# Altium PCB PCB2.PcbDoc
Units mm, origin at the board's own origin, x right, y up, seen from the top; angles counter-clockwise.
Board outline 50 x 25 mm, 2 copper layers (Top Layer, Bottom Layer); 60 components, 65 nets, 282 pads, 92 vias.
Unrouted connection lines stored in the file: 44.
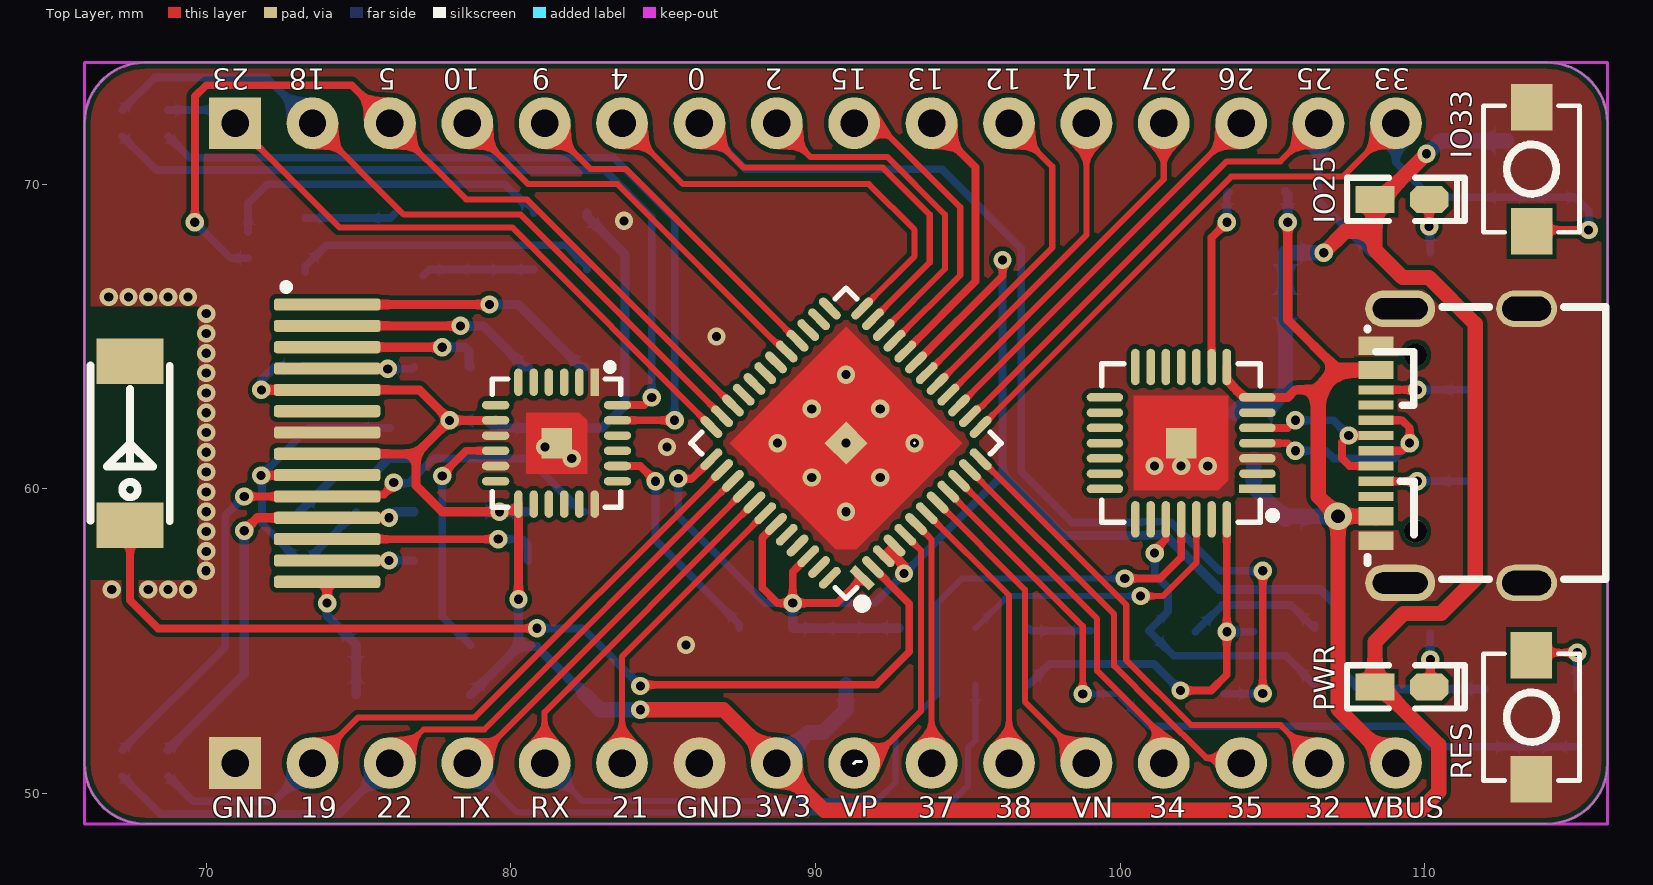
[diagram p0: Top Layer view]
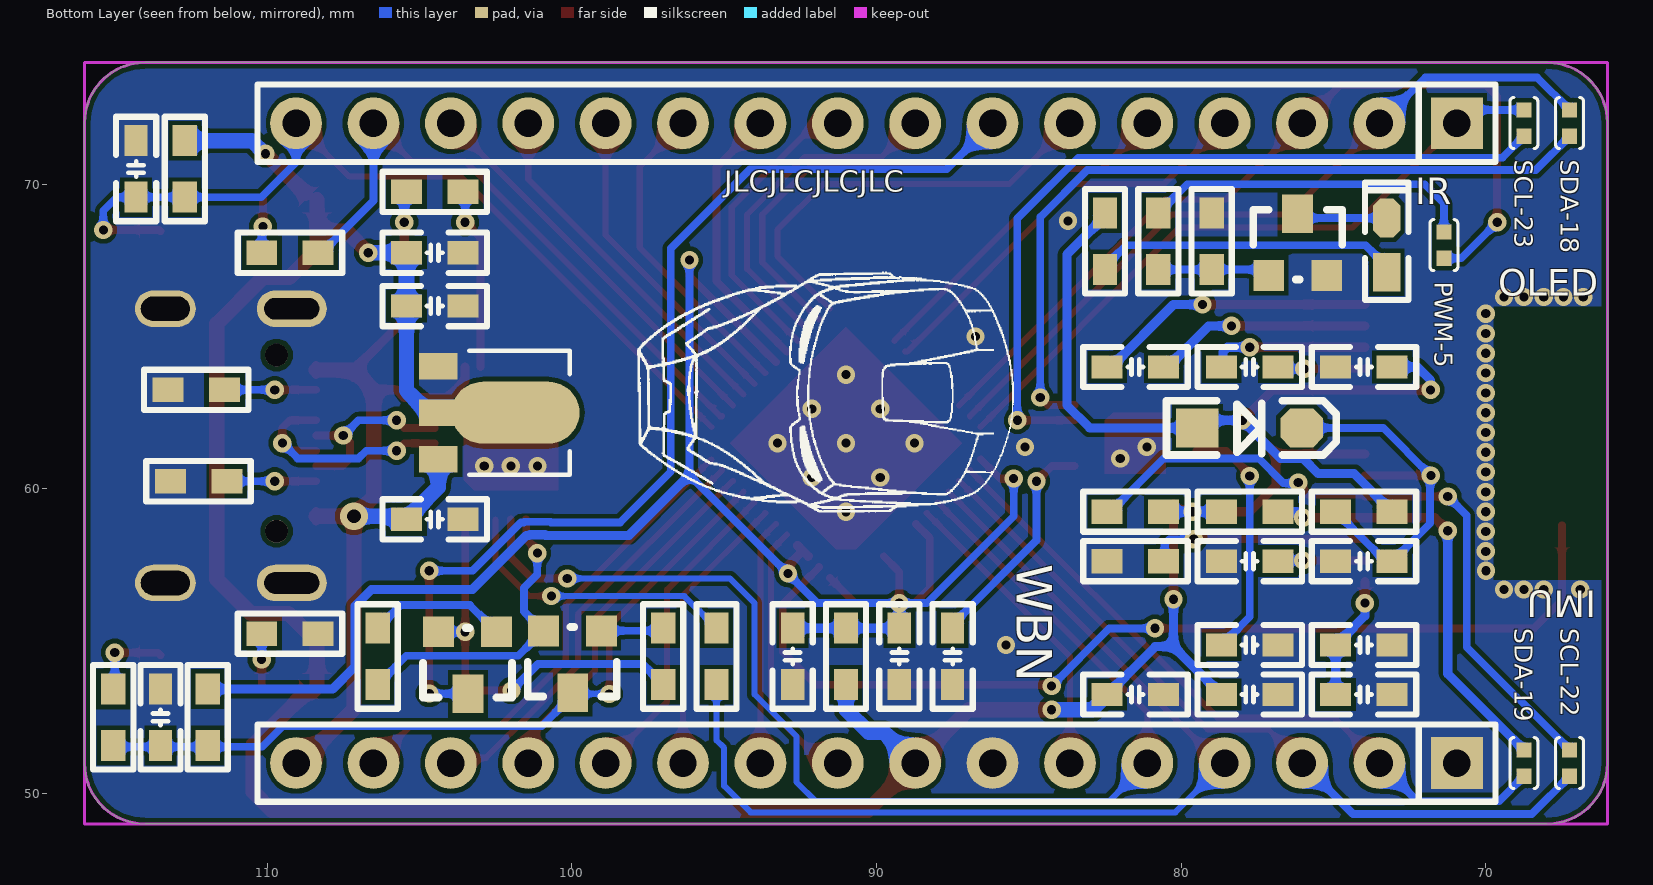
[diagram p1: Bottom Layer view, seen from below]

## Layer stack, top to bottom
Top Solder: solder mask 0.0102, Solder Resist, Dk 3.5
Top Layer: signal copper 0.0356
Dielectric 1: dielectric 0.32, FR-4, Dk 4.8
Bottom Layer: signal copper 0.0356
Bottom Solder: solder mask 0.0102, Solder Resist, Dk 3.5

## Board outline
66,51 66,72 cw(c68,72) 68,74 114,74 cw(c114,72) 116,72 116,51 cw(c114,51) 114,49 68,49 cw(c68,51)

## Design rules (kind name [scope] priority, off if disabled: settings)
Clearance [All] p1: gap=0.152 ignorepadtopadclearanceinfootprint=FALSE
PlaneConnect [All] p1: planeconnectstyle=Direct reliefexpansion=0.508 reliefentries=4 reliefconductorwidth=0.254 reliefairgap=0.254
PolygonConnect [All] p1: connectstyle=Direct reliefconductorwidth=0.254 reliefentries=4 polygonreliefangle="90 Angle" airgapwidth=0.254
RoutingVias [All] p1: holewidth=0.3 width=0.6 viastyle="Through Hole" minholewidth=0.3 minwidth=0.6 maxholewidth=0.3 maxwidth=0.6
SolderMaskExpansion [All] p1: expansion=0.102 istentingtop=FALSE
Width [All] p1: maxlimit=3 minlimit=0.152 preferedwidth=0.254
29 further rules are at their usual default settings.

## Classes and differential pairs
component class Sheet1: J1 Q1 R1 R2 R3 U1

## Components (designator, comment, footprint, x,y, rotation, side; value= is the part's Value field where it differs from the comment)
C1 "" C_0603 77.75,64 r180 bottom
C2 "" C_0603 81.5,64 r180 bottom
C3 "" C_0603 89.25,54.5 r90 bottom
C4 "" C_0603 92.75,54.5 r90 bottom
C5 "" C_0603 77.75,53.25 r0 bottom
C6 "" C_0603 74,64 r180 bottom
C7 "" C_0603 87.5,54.5 r90 bottom
C8 "" C_0603 81.5,53.25 r0 bottom
C9 "" C_0603 77.75,54.875 r0 bottom
C10 "" C_0603 74,53.25 r180 bottom
C11 "" C_0603 74,54.875 r180 bottom
C12 "" C_0603 74,57.625 r0 bottom
C13 "" C_0603 77.75,57.625 r0 bottom
C14 "" C_0603 113.5,52.5 r270 bottom
C15 "" C_0603 104.5,59 r0 bottom
C16 "" C_0603 104.5,66 r0 bottom
C17 "" C_0603 104.5,67.75 r0 bottom
C18 "" C_0603 114.3,70.5 r270 bottom
D1 "" SOD-123 77.75,62 r180 bottom
D2 "" LED_0603 109.25,53.5 r0 top
D3 "" LED_0603 109.25,69.5 r0 top
J1 "" 0402-0R 71.375,68 r270 bottom
J2 "" 0402-0R 67.25,72.007 r90 bottom
J3 "" 0402-0R 68.75,72.007 r90 bottom
J4 "" 0402-0R 68.75,51 r270 bottom
J5 "" 0402-0R 67.25,51 r270 bottom
L1 "" ANT2051 67.5,61.5 r90 top
P1 "" HDR2.54-LI-16P 90,51 r0 bottom
P1 "" OLED-128*32 73.91,61.55 r0 top
P2 "" HDR2.54-LI-16P 90,72 r0 bottom
Q1 "" SOT23 77.249,66.984 r180 bottom
Q2 "" SOT23 98.905,55.358 r0 bottom
Q3 "" SOT23 102.345,55.326 r0 bottom
R1 "" R_0603 82.5,68.125 r270 bottom
R2 "" R_0603 80.75,68.125 r90 bottom
R3 "" R_0603 79,68.125 r90 bottom
R4 "" R_0603 91,54.5 r270 bottom
R5 "" R_0603 81.5,59.25 r180 bottom
R6 "" R_0603 77.75,59.25 r0 bottom
R7 "" R_0603 81.5,57.625 r0 bottom
R8 "" R_0603 111.95,52.5 r90 bottom
R9 "" R_0603 74,59.25 r180 bottom
R10 "" R_0603 104.5,69.75 r180 bottom
R11 "" R_0603 95.25,54.5 r270 bottom
R12 "" R_0603 112.25,60.25 r180 bottom
R13 "" R_0603 112.323,63.25 r180 bottom
R14 "" R_0603 109.25,55.25 r180 bottom
R15 "" R_0603 109.25,67.75 r180 bottom
R16 "" R_0603 97,54.5 r270 bottom
R17 "" R_0603 115.05,52.5 r270 bottom
R18 "" R_0603 106.375,54.5 r270 bottom
R19 "" R_0603 112.7,70.5 r90 bottom
SW1 "" ButtonTACT_3x4x2_180 113.5,52.5 r90 top
SW2 "" ButtonTACT_3x4x2_180 113.5,70.5 r270 top
U1 "" LED_0603 73.25,68 r90 bottom
U2 "" "QFN24 4x4_N" 81.5,61.5 r180 top
U3 "" "QFN48 7X7_N" 91,61.5 r45 top
U4 "" "QFN28 5x5_N" 102,61.5 r90 top
U5 "" SOT-89 104.385,64.024 r270 bottom
USB1 "" USB-C-SMD_TYPE-C-USB-5 110.865,61.413 r90 top

## Footprints (in the part's own frame and the unit in brackets; to place one, negate y for a bottom-side part, rotate by r counter-clockwise, add the part's x,y. Pads: shape width x height; smd on the part's side, far side on the other; paste and mask are expansions set on the pad)
0402-0R [mm] "选择焊盘"
  rect 0.5x0.5 smd: 1(-0.432,0) 2(0.432,0)
  silkscreen extent -0.84,-0.46 0.84,0.46
ANT2051 [mm]
  rect 1.5x2.2 smd: 1(-2.69,0) 2(2.69,0)
  silkscreen extent -2.56,-1.3 2.55,1.3, body extent -2.57,-0.91 2.54,0.94, height 1.32
ButtonTACT_3x4x2_180 [mm]
  rect 1.53x1.36 smd: 1(-2.029,0.001) 2(2.041,0.001)
  silkscreen extent -2.07,-1.57 2.08,1.58, body extent -2,-1.25 2,1.25, height 1.6
C_0603 [mil]
  rect 40x30 smd: 1(-36.5,0) 2(36.5,0)
  silkscreen extent -68,-26 68,26, body extent -31,-16 31,16, height 32
HDR2.54-LI-16P [mm] "排针，16脚"
  rect 1.7x1.7 hole 0.9: 1(-19.05,0)
  round 1.7 hole 0.9: 2(-16.51,0) 3(-13.97,0) 4(-11.43,0) 5(-8.89,0) 6(-6.35,0) 7(-3.81,0) 8(-1.27,0) 9(1.27,0) 10(3.81,0) 11(6.35,0) 12(8.89,0) 13(11.43,0) 14(13.97,0) 15(16.51,0) 16(19.05,0)
  silkscreen extent -20.32,-1.27 20.32,1.27, body extent -20.32,-1.27 20.32,1.27, height 8.5
LED_0603 [mil]
  rect 50x35 smd: 1(-35,0)
  oct 50x35 smd: 2(35,0)
  silkscreen extent -71,-28 81,28, body extent -32,-16 31,16, height 18
OLED-128*32 [mm]
  rrect50% 3.5x0.4 smd: 1(0.06,4.5) 2(0.06,3.8) 3(0.06,3.1) 4(0.06,2.4) 5(0.06,1.7) 6(0.06,1) 7(0.06,0.3) 8(0.06,-0.4) 9(0.06,-1.1) 10(0.06,-1.8) 11(0.06,-2.5) 12(0.06,-3.2) 13(0.06,-3.9) 14(0.06,-4.6)
"QFN24 4x4_N" [mm] "24脚，长x宽x高：4x4x1mm，脚距：0.5mm"
  rect 0.28x0.9 smd: 1(-1.25,-2)
  oval 0.28x0.9 smd: 2(-0.75,-2) 3(-0.25,-2) 4(0.25,-2) 5(0.75,-2) 6(1.25,-2) 13(1.25,2) 14(0.75,2) 15(0.25,2) 16(-0.25,2) 17(-0.75,2) 18(-1.25,2)
  oval 0.9x0.28 smd: 7(2,-1.25) 8(2,-0.75) 9(2,-0.25) 10(2,0.25) 11(2,0.75) 12(2,1.25) 19(-2,1.25) 20(-2,0.75) 21(-2,0.25) 22(-2,-0.25) 23(-2,-0.75) 24(-2,-1.25)
  rect 1x1 smd: 25(0,0)
  Top Layer region: -1,1 1,1 1,-1 -0.75,-1 -1,-0.75
  silkscreen extent -2.11,-2.6 2.11,2.11, body extent -2.01,-2.01 2.01,2.01, height 0.95
"QFN28 5x5_N" [mm] "28脚，长x宽x高：5x5x0.8mm，脚距：0.5mm"
  rect 0.28x1.2 smd: 1(-1.5,-2.5)
  oval 0.28x1.2 smd: 2(-1,-2.5) 3(-0.5,-2.5) 4(0,-2.5) 5(0.5,-2.5) 6(1,-2.5) 7(1.5,-2.5) 15(1.5,2.5) 16(1,2.5) 17(0.5,2.5) 18(0,2.5) 19(-0.5,2.5) 20(-1,2.5) 21(-1.5,2.5)
  oval 1.2x0.28 smd: 8(2.5,-1.5) 9(2.5,-1) 10(2.5,-0.5) 11(2.5,0) 12(2.5,0.5) 13(2.5,1) 14(2.5,1.5) 22(-2.5,1.5) 23(-2.5,1) 24(-2.5,0.5) 25(-2.5,0) 26(-2.5,-0.5) 27(-2.5,-1) 28(-2.5,-1.5)
  rect 1x1 smd: 29(0,0)
  Top Layer region: -1.55,1.55 1.55,1.55 1.55,-1.55 -1.225,-1.55 -1.55,-1.225
  silkscreen extent -2.6,-3.13 2.6,2.6, body extent -2.51,-2.51 2.51,2.51, height 0.75
"QFN48 7X7_N" [mm] "48脚，长x宽x高：7x7x1mm，脚距：0.5mm"
  rect 0.28x0.9 smd: 1(-2.75,-3.5)
  oval 0.28x0.9 smd: 2(-2.25,-3.5) 3(-1.75,-3.5) 4(-1.25,-3.5) 5(-0.75,-3.5) 6(-0.25,-3.5) 7(0.25,-3.5) 8(0.75,-3.5) 9(1.25,-3.5) 10(1.75,-3.5) 11(2.25,-3.5) 12(2.75,-3.5) 25(2.75,3.5) 26(2.25,3.5) 27(1.75,3.5) 28(1.25,3.5) 29(0.75,3.5) 30(0.25,3.5) 31(-0.25,3.5) 32(-0.75,3.5) 33(-1.25,3.5) 34(-1.75,3.5) 35(-2.25,3.5) 36(-2.75,3.5)
  oval 0.9x0.28 smd: 13(3.5,-2.75) 14(3.5,-2.25) 15(3.5,-1.75) 16(3.5,-1.25) 17(3.5,-0.75) 18(3.5,-0.25) 19(3.5,0.25) 20(3.5,0.75) 21(3.5,1.25) 22(3.5,1.75) 23(3.5,2.25) 24(3.5,2.75) 37(-3.5,2.75) 38(-3.5,2.25) 39(-3.5,1.75) 40(-3.5,1.25) 41(-3.5,0.75) 42(-3.5,0.25) 43(-3.5,-0.25) 44(-3.5,-0.75) 45(-3.5,-1.25) 46(-3.5,-1.75) 47(-3.5,-2.25) 48(-3.5,-2.75)
  rect 1x1 smd mask+0.051: 49(0,0)
  Top Layer region: -2.7,2.7 2.7,2.7 2.7,-2.7 -2.214,-2.7 -2.7,-2.214
  silkscreen extent -3.6,-4.25 3.6,3.6, body extent -3.51,-3.51 3.51,3.51, height 0.95
R_0603 [mil]
  rect 40x31.5 smd: 1(-36.5,0) 2(36.5,0)
  silkscreen extent -68,-26 68,26, body extent -31,-16 31,16, height 16
SOD-123 [mil] "2.7x1.6X1.1mm（长宽高，不包括引脚）"
  rect 55x50 smd: 1(-67.5,0)
  oct 55x50 smd: 2(67.5,0)
  silkscreen extent -108,-35 112,35, body extent -73,-31 73,31, height 48
SOT23 [mil]
  rect 40x40 smd: 1(4.88,0.63) 2(79.88,0.63)
  rect 40x50 smd: 3(41.88,80.63)
  silkscreen extent -15,-4 100,86, body extent -15,-11 99,99, height 47
SOT-89 [mil]
  rect 34.02x50 smd: 1(0,0) 3(120,0)
  rect 34x100 smd: 2(60,25)
  oval 80x165.35 smd: 2(60,100)
  silkscreen extent -20,40 140,170, body extent -31,-17 151,151, height 63
USB-C-SMD_TYPE-C-USB-5 [mm]
  oval 1.2x2.3 hole 0.7 slot 1.8 at 90 deg: 1(-4.5,1.675) 2(4.5,1.675)
  oval 1.2x2 hole 0.8 slot 1.6 at 90 deg: 3(-4.5,-2.475) 4(4.5,-2.475)
  rect 0.3x1.15 smd: A1(-3.263,2.473) A4(-2.462,2.471) A5(-1.162,2.475) A6(-0.162,2.475) A7(0.337,2.473) A9(2.638,2.475) A12(3.438,2.475) B1(3.138,2.475) B4(2.337,2.475) B5(1.838,2.475) B6(0.838,2.475) B7(-0.663,2.473) B9(-2.162,2.471) B12(-2.963,2.473)
  rect 0.3x1.148 smd: A8(1.337,2.475) B8(-1.663,2.475)
  round 0.75 hole 0.75 unplated: ""(-2.803,1.175) ""(2.978,1.175)
  silkscreen extent -4.38,-5.08 4.56,2.75, body extent -4.34,-5.14 4.6,2.76, height 3.25

## Part data
C1 C2 C3 C4 C5 C6 C7 C8 C9 C10 C11 C12 C13 C14 C15 C16 C17 C18: library part C_0603, "4.7nf-4.7uf"
D1: library part 1N4148W, "150mA/100V    开关二极管"
D2 D3: library part LED_0603
J1 J2 J3 J4 J5: library part 跳线, "Resistor", LatestRevisionDate=17-Jul-2002, LatestRevisionNote="Re-released for DXP Platform.", PackageDescription="Axial Device, Thru-Hole; 2 Leads; 0.4 in Pin Spacing", PackageReference=AXIAL-0.4, Published=8-Jun-2000, Publisher="Altium Limited"
L1: library part AN2051-245, BOM_JLCPCB Part Class="Extended Part", BOM_Manufacturer=Rainsun, BOM_Manufacturer Part=AN2051-245, BOM_Supplier=LCSC, BOM_Supplier Part=C99727, spicePre=L, spiceSymbolName=AN2051-245
P1 P2: library part 排针-直-16P, BOM名称=16P接插件, 学习资源=https://shop463601444.taobao.com, 版权归属="封装库来自淘宝卖家 ID：黄晶宝石"
P1: library part OLED-128*32
Q1 Q2 Q3: library part S8050, BOM_JLCPCB Part Class="Extended Part", BOM_Manufacturer=FOSAN(富信), BOM_Manufacturer Part=S8050, BOM_Supplier=LCSC, BOM_Supplier Part=C2926165, Contributor=LCSC, spicePre=Q, spiceSymbolName=S8050_C2926165
R1 R2 R3 R4 R5 R6 R7 R8 R9 R10 R11 R12 R13 R14 R15 R16 R17 R18 R19: library part R_0603
SW1 SW2: library part 轻触开关-3*4
U1: library part IR19-21C/TR8, "红外发射管，波长940nm", BOM_JLCPCB Part Class="Extended Part", BOM_Manufacturer="Everlight Elec", BOM_Manufacturer Part=IR19-21C/TR8, BOM_Supplier=LCSC, BOM_Supplier Part=C93768, Contributor=LCSC, spicePre=U, spiceSymbolName=IR19-21C/TR8
U2: library part MPU-6050, BOM_JLCPCB Part Class="Basic Part", BOM_Manufacturer=InvenSense, BOM_Manufacturer Part=MPU-6050, BOM_Supplier=LCSC, BOM_Supplier Part=C24112, sourceId=1T5FDZYC8, spicePre=U, spiceSymbolName=MPU-6050_C24112, timeStamp=1462265206
U3: library part ESP32-PICO-D4, BOM_JLCPCB Part Class="Extended Part", BOM_Manufacturer="Espressif Systems", Frequency=-, BOM_Manufacturer Part=ESP32-PICO-D4, BOM_Supplier=LCSC, BOM_Supplier Part=C193707, Contributor=LCSC, spicePre=U, spiceSymbolName=ESP32-PICO-D4
U4: library part CP2102-GMR, BOM_JLCPCB Part Class="Basic Part", BOM_Manufacturer="SILICON LABS", BOM_Manufacturer Part=CP2102-GMR, BOM_Supplier=LCSC, BOM_Supplier Part=C6568, spicePre=U, spiceSymbolName=CP2102-GMR
U5: library part ASM1117-3.3, "SOT-89封装"
USB1: library part TYPE-C, "KH-TYPE-C-16P", BOM_JLCPCB Part Class="Extended Part", BOM_Manufacturer="Shenzhen Kinghelm Elec", BOM_Manufacturer Part=KH-TYPE-C-16P, BOM_Supplier=LCSC, BOM_Supplier Part=C709357, Contributor=LCSC, spicePre=U, spiceSymbolName=KH-TYPE-C-16P

## Via types
v1: diameter 0.6, hole 0.3, Top Layer to Bottom Layer, tented both sides, 91 vias
v2: diameter 0.914, hole 0.457, Top Layer to Bottom Layer, tented both sides, 1 vias

## Nets (pads, with @x,y where several pads share a name; then routed paths per layer and width w, separated by ;. In a path a pad name is that pad's centre, name@x,y a point inside that pad or via, vN(x,y) a via of type N, cw(c..) or ccw(c..) an arc to the next point about the centre after c; other vN are vias at no path point)
3V3: C5.2 C6.2 C8.2 C16.2 C17.2 D1.1 D2.1 D3.1 P1.5@73.97,63.25 P1.8 R1.1 R4.2 R5.2 R6.2 R9.2 R19.2 U2.8 U2.13 U5.2 | length 122.4
  Top Layer w0.3: v1(71.81,63.25) 73.97,63.25 76.992,63.25 v1(77.992,62.25) ; P1.8@73.97,61.15 76.892,61.15 ; U2.8 v1(77.992,62.25) ; v1(80.25,56.375) U2.13@80.25,59.317 ; U2.13 U2.13@80.25,59.317 ; 76.892,61.15 76.892,60.108 77.75,59.25 v1(79.625,59.25) 79.682,59.307 80.24,59.307 U2.13@80.25,59.317 ; 76.892,61.15 v1(77.992,62.25)
  Top Layer w0.5: v1(84.25,52.75) 86.982,52.75 88.73,51.002 88.73,51 88.732,51 90.279,49.452 109.852,49.452 110.452,50.052 110.452,51.601 108.748,53.305 108.556,53.305 D2.1 108.361,53.693 108.363,53.695 108.363,54.979 109.294,55.91 110.535,55.91 111.652,57.027 111.652,65.419 110.132,66.939 109.261,66.939 108.363,67.837 108.363,68.459 ; v1(106.68,67.75) 107.389,68.459 108.363,68.459 ; D3.1 108.361,69.307 108.363,69.306 108.363,68.459 ; D3.1@108.748,69.695 110.019,70.966 110.019,70.969 v1(110.05,71)
  Bottom Layer w0.3: v1(71.81,63.25) 71.81,63.56 72.25,64 C6.2 ; R9.2 74.323,60.5 75.5,60.5 76,61 76.742,61 v1(77.992,62.25) 79.215,62.25 D1.1 83,62 83.75,62.75 83.75,67.694 82.5,68.944 R1.1 ; C5.2 80.25,54.823 ; R6.2 v1(79.625,59.25) R5.2 ; v1(80.25,56.375) 80.25,54.823 ; C8.2 80.854,54.823 80.25,54.823
  Bottom Layer w0.5: C8.2 82.927,52.75 v1(84.25,52.75) ; P1.8@88.73,51 88.75,51 89.75,52 90.25,52 91,52.75 R4.2 ; U5.2@103.75,62.5 103.932,62.682 104.882,62.682 105.427,63.227 C16.2 C17.2 v1(106.68,67.75) ; v1(110.05,71) 110.069,71.019 110.098,71.019 110.506,71.427 112.55,71.427 R19.2
3V3_MCU: C3.2 C4.2 R4.1 R8.2 U3.1 U3.3 U3.4 U3.19 U3.37 U3.43 U3.46 | length 61.5
  Top Layer w0.2: U3.46@89.763,57.766 U3.46
  Top Layer w0.254: v1@85.412,60.338 v1@85.43,60.338 ; v1(85.497,60.338) v1@85.43,60.338 ; U3.37 85.94,60.329 85.421,60.329 v1@85.43,60.338 ; U3.43 88.702,58.841 88.25,58.389 88.25,56.75 88.75,56.25 v1(89.25,56.25) ; U3.46 89.25,57.275 v1(89.25,56.25) ; U3.1 91.521,57.071 90.7,56.25 v1(89.25,56.25) ; U3.19 96.14,66.994 v1(96.14,67.51)
  Top Layer w0.3: U3.3 92.414,57.964 ; U3.4 92.414,57.964 ; v1(92.905,57.22) 92.92,57.235 92.92,57.459 92.414,57.964
  Bottom Layer w0.254: v1(85.497,60.338) 85.497,59.103 88.35,56.25 v1(89.25,56.25) 91.935,56.25 v1(92.905,57.22) 96.14,60.455 v1(96.14,67.51)
  Bottom Layer w0.3: v1(89.25,56.25) C3.2 R4.1 C4.2 ; 96.14,60.455 98.125,58.47 100.859,58.47 100.88,58.492 101.38,58.492 101.401,58.47 101.49,58.47 103.26,56.7 106.57,56.7 107.12,56.15 107.12,54.16 107.853,53.427 R8.2
CP_Rx: P1.5@81.11,51 U3.41 U4.25 | length 40
  Top Layer w0.2: P1.5@81.11,51 81.11,52.671 U3.41
  Top Layer w0.254: v1(100.15,57.06) 101.31,57.06 102,57.75 U4.25
  Bottom Layer w0.2: P1.5@81.11,51 82.36,49.75 92,49.75 92.625,50.375 92.625,51.875 94,53.25 94,56.25 94.81,57.06 v1(100.15,57.06)
CP_Tx: P1.4@78.57,51 R11.2 U3.40 | length 33.6
  Top Layer w0.2: P1.4@78.57,51 78.732,51 U3.40
  Bottom Layer w0.2: P1.4@78.57,51 80.19,49.38 94.13,49.38 95,50.25 95,51.5 95.25,51.75 R11.2
DTR: Q3.2 R16.2 U4.28 | length 13.3
  Top Layer w0.254: v1(101.98,53.38) 102.98,53.38 103.5,53.9 v1(103.5,55.31) U4.28
  Bottom Layer w0.254: R16.2 97.677,54.25 101.11,54.25 v1(101.98,53.38) ; v1(103.5,55.31) Q3.2
EN: C14.2 Q2.3 R8.1 R17.2 U3.9 | length 25.4
  Top Layer w0.2: U3.9 98.77,55.498 v1(98.77,53.27)
  Bottom Layer w0.2: v1(98.77,53.27) Q2.3@99.929,53.27
  Bottom Layer w0.254: Q2.3@100.057,53.143 100.99,52.21 109.486,52.21 110.163,51.533 111.91,51.533 R8.1 111.99,51.533 113.46,51.533 C14.2 113.54,51.533 115.01,51.533 R17.2
GND: C3.1 C4.1 C5.1 C6.1 C7.1 C8.1 C9.1 C10.2 C11.2 C12.2 C13.2 C14.1 C15.1 C16.1 C17.1 C18.1 P1.1@70.95,51 P1.7 Q1.2 R3.2 R7.2 R12.1 R13.1 R14.2 SW1.1 SW2.1 U2.1 U2.9 U2.11 U2.18 U2.25 U3.49 U4.3 U4.29 U5.1 USB1.1 USB1.2 USB1.3 USB1.4 USB1.A1 USB1.A12 USB1.B1 USB1.B12 | length 0.7
  Top Layer w0.254: v1(81.125,61.375) 81.25,61.5 U2.25 81.375,61.5 U2.25@81.25,61.375
  other v1: 85.75,54.875 66.9,56.7 68.1,56.7 68.75,56.7 69.4,56.7 69.997,57.311 70,57.95 70,58.6 70,59.25 91,59.25 70,59.9 89.875,60.375 92.125,60.375 70,60.55 101.125,60.75 102,60.75 102.875,60.75 82,61 70,61.2 85.125,61.375 88.75,61.5 91,61.5 93.25,61.5 70,61.85 70,62.5 89.875,62.625 92.125,62.625 70,63.15 91,63.75 70,63.8 70,64.45 86.75,65 70,65.1 70,65.75 66.8,66.3 67.45,66.3 68.1,66.3 68.75,66.3 69.4,66.3 83.712,68.796
GPIO0: P2.7 Q3.3 U3.23 | length 47.2
  Top Layer w0.2: P2.7 87.645,70.545 92.205,70.545 93.75,69 93.75,67.432 U3.23
  Top Layer w0.254: v1(104.68,53.28) v1(104.68,57.31)
  Bottom Layer w0.254: P2.7 87.7,70.49 94.15,70.49 96.75,67.89 96.75,60.56 98.411,58.899 100.681,58.899 100.703,58.921 101.557,58.921 101.579,58.899 101.668,58.899 103.257,57.31 v1(104.68,57.31) ; Q3.3 104.678,53.278 v1(104.68,53.28)
GPIO2: P2.8 U3.22 | length 11.4
  Top Layer w0.2: P2.8 89.832,70.898 92.352,70.898 94.25,69 94.25,67.225 U3.22
GPIO4: P2.6 U3.24 | length 14.3
  Top Layer w0.2: P2.6 85.65,70 91.75,70 93.25,68.5 93.25,67.639 U3.24
GPIO5: J1.2 P2.3 U3.34 | length 28.5
  Top Layer w0.2: v1(69.625,68.75) v1@69.631,68.756 ; P2.3 78.53,69.5 80.525,69.5 U3.34
  Top Layer w0.254: v1@69.631,68.756 69.631,72.881 70,73.25 74.78,73.25 P2.3
  Bottom Layer w0.254: v1(69.625,68.75) 70.807,67.568 J1.2
GPIO9: P2.5 U3.28 | length 11.3
  Top Layer w0.2: P2.5 82.61,70.5 83.768,70.5 U3.28
GPIO10: P2.4 U3.29 | length 13.6
  Top Layer w0.2: P2.4 80.57,70 83.5,70 88.995,64.505 U3.29
GPIO12: P2.11 U3.18 | length 10.5
  Top Layer w0.2: U3.18 97.77,67.916 97.77,70.58 P2.11
GPIO13: P2.10 U3.20 | length 9
  Top Layer w0.254: U3.20 95.25,66.811 95.25,70.56 P2.10
GPIO14: P2.12 U3.17 | length 10.6
  Top Layer w0.2: U3.17 98.89,68.329 P2.12
GPIO15: P2.9 U3.21 | length 9.9
  Top Layer w0.2: P2.9 92,72 94.75,69.25 94.75,67.018 U3.21
GPIO18: J2.2 P2.2 U3.35 | length 24.7
  Top Layer w0.2: P2.2 76.49,69 80.318,69 U3.35
  Bottom Layer w0.254: J2.2 68.311,73.5 71.99,73.5 P2.2
GPIO19: J4.2 P1.2@73.49,51 U3.38 | length 23
  Top Layer w0.2: P1.2@73.49,51 74.99,52.5 78.818,52.5 U3.38
  Bottom Layer w0.254: J4.2 69.568,49.75 72.24,49.75 P1.2@73.49,51
GPIO21: P1.6@83.65,51 U3.42 | length 10.1
  Top Layer w0.2: P1.6@83.65,51 83.65,54.504 U3.42
GPIO22: J5.2 P1.3@76.03,51 U3.39 | length 25.1
  Top Layer w0.2: P1.3@76.03,51 77.132,52.102 79.128,52.102 U3.39
  Bottom Layer w0.254: J5.2 68.489,49.329 74.359,49.329 P1.3@76.03,51
GPIO23: J3.2 P2.1 U3.36 | length 22.2
  Top Layer w0.2: P2.1 74.371,68.579 80.046,68.579 86.581,62.044 U3.36
  Bottom Layer w0.254: J3.2 70.511,72.439 P2.1
GPIO25: P2.15 R15.2 U3.14 | length 20.5
  Top Layer w0.2: U3.14 95.134,62.384 103.5,70.75 105.26,70.75 P2.15
  Bottom Layer w0.254: P2.15 106.51,69.455 108.215,67.75 R15.2
GPIO26: P2.14 U3.15 | length 13.1
  Top Layer w0.2: U3.15 103.97,71.995 P2.14
GPIO27: P2.13 U3.16 | length 11.8
  Top Layer w0.2: U3.16 101.43,70.162 P2.13
GPIO32: P1.15 U3.12 | length 16.3
  Top Layer w0.2: U3.12 100.2,56.189 100.2,54.379 102.329,52.25 105.26,52.25 P1.15
GPIO33: C18.2 P2.16 R19.1 SW2.2 U3.13 | length 28.5
  Top Layer w0.2: U3.13 103.639,70.25 107.3,70.25 P2.16
  Top Layer w0.254: SW2.2 113.542,68.5 v1(115.375,68.5)
  Bottom Layer w0.254: P2.16 109.05,70.72 110.197,69.573 R19.1 ; R19.1@112.75,69.573 114.927,69.573 115.375,69.125 v1(115.375,68.5)
GPIO34: P1.13@101.43,51 U3.10 | length 12
  Top Layer w0.2: U3.10 99.242,55.732 99.242,54.028 101.43,51.84 P1.13@101.43,51
GPIO35: P1.14@103.97,51 U3.11 | length 13.9
  Top Layer w0.2: U3.11 99.8,55.882 99.8,54.189 101.251,52.738 102.82,51.169 103.801,51.169 P1.14@103.97,51
GPIO37: P1.10@93.81,51 U3.6 | length 8.1
  Top Layer w0.2: U3.6 93.81,58.336 P1.10@93.81,51
GPIO38: P1.11@96.35,51 U3.7 | length 9.3
  Top Layer w0.2: U3.7 96.35,56.504 P1.11@96.35,51
IR: J1.1 R2.2 | length 11
  Bottom Layer w0.254: J1.1 71.375,69.375 72,70 79.802,70 80.369,69.433 80.477,69.433 80.75,69.16 R2.2
IREF: P1.12@73.97,58.35 R7.1 | length 7.2
  Top Layer w0.254: P1.12@73.97,58.35 v1(79.584,58.35)
  Bottom Layer w0.254: v1(79.584,58.35) 80.394,58.35 80.543,58.201 80.543,57.655 R7.1
MPU_SCL: J3.1 U2.23 | length 26.2
  Top Layer w0.254: U2.23 v1(85.375,62.25)
  Bottom Layer w0.254: J3.1 69.454,70.871 83.379,70.871 85.125,69.125 85.375,68.875 v1(85.375,62.25)
MPU_SDA: J2.1 U2.24 | length 25.6
  Top Layer w0.254: U2.24 84.375,62.75 v1(84.625,63)
  Bottom Layer w0.254: J2.1 68.361,70.464 83.082,70.464 84.625,68.921 v1(84.625,63)
NetC1_1: C1.1 P1.3@73.97,64.65 | length 5.2
  Top Layer w0.3: P1.3@73.97,64.65 v1(77.75,64.65)
  Bottom Layer w0.3: v1(77.75,64.65) 78.475,64.65 78.625,64.5 78.625,64.052 C1.1
NetC1_2: C1.2 P1.4@73.97,63.95 | length 2.9
  Top Layer w0.254: P1.4@73.97,63.95 73.98,63.94 73.985,63.945 75.955,63.945 v1(75.96,63.94)
  Bottom Layer w0.254: v1(75.96,63.94) 76.763,63.94 C1.2
NetC2_1: C2.1 P1.1@73.97,66.05 | length 9.3
  Top Layer w0.3: P1.1@73.97,66.05 v1(79.3,66.05)
  Bottom Layer w0.3: v1(79.3,66.05) 80.25,66.05 82.3,64 C2.1
NetC2_2: C2.2 P1.2@73.97,65.35 | length 7.2
  Top Layer w0.3: P1.2@73.97,65.35 v1(78.35,65.35)
  Bottom Layer w0.3: v1(78.35,65.35) 78.354,65.346 79.1,65.346 80.446,64 C2.2
NetC7_2: C7.2 U2.20 | length 7.4
  Top Layer w0.254: U2.20 84.25,60.75 v1(84.75,60.25)
  Bottom Layer w0.254: v1(84.75,60.25) 84.75,58.304 87.5,55.554 C7.2
NetC9_2: C9.2 U2.10 | length 8.1
  Top Layer w0.254: v1(77.75,60.421) 77.75,60.473 78.527,61.25 U2.10
  Bottom Layer w0.254: v1(77.75,60.421) 77.75,55.802 C9.2
NetD2_2: D2.2 R14.1 | length 1.8
  Top Layer w0.254: D2.2 110.18,53.541 v1(110.18,54.4)
  Bottom Layer w0.254: R14.1 110.177,54.403 v1(110.18,54.4)
NetD3_2: D3.2 R15.1 | length 1.8
  Top Layer w0.254: D3.2 v1(110.14,68.61) ; v1(110.14,68.61) v1(110.14,68.61)
  Bottom Layer w0.254: v1(110.14,68.61) 110.177,68.573 R15.1
NetL1_1: L1.1 U3.2 | length 33
  Top Layer w0.254: L1.1 67.5,56.34 68.42,55.42 80.855,55.42 v1(80.86,55.425) ; v1(84.251,53.529) 84.291,53.57 91.998,53.57 93.078,54.65 93.078,56.228 92.326,56.98 92.326,56.985 91.884,57.427 U3.2
  Bottom Layer w0.254: v1(80.86,55.425) 80.865,55.42 82.36,55.42 v1(84.251,53.529)
NetQ1_1: Q1.1 R2.1 R3.1 | length 3.7
  Bottom Layer w0.254: Q1.1 77.323,67.198 R3.1 R2.1
NetQ1_3: Q1.3 U1.2 | length 3
  Bottom Layer w0.254: U1.2 76.042,68.889 Q1.3
NetQ2_1: Q2.1 R16.1 | length 2.1
  Bottom Layer w0.254: R16.1 97.085,55.342 Q2.1
NetQ3_1: Q3.1 R18.1 | length 4.7
  Bottom Layer w0.254: Q3.1 103.344,56.185 105.617,56.185 R18.1 R18.1@106.375,55.535
NetR1_2: R1.2 U1.1 | length 10.1
  Bottom Layer w0.254: U1.1 73.25,67.302 73.948,68 81.806,68 82.5,67.306 R1.2
NetR10_2: R10.2 U4.9 | length 6
  Top Layer w0.254: U4.9 103,68.25 v1(103.5,68.75)
  Bottom Layer w0.254: v1(103.5,68.75) 103.5,69.677 R10.2
NetR11_1: R11.1 U4.26 | length 9.6
  Top Layer w0.2: v1(100.67,56.48) 101.4,56.48 102.5,57.58 U4.26
  Bottom Layer w0.2: R11.1 96.303,56.48 v1(100.67,56.48)
NetR12_2: R12.2 USB1.A5 | length 2.9
  Top Layer w0.254: USB1.A5 v1@109.75,60.25
  Bottom Layer w0.254: v1(109.75,60.25) R12.2
NetR13_2: R13.2 USB1.B5 | length 3
  Top Layer w0.254: USB1.B5 v1(109.75,63.25)
  Bottom Layer w0.254: v1(109.75,63.25) R13.2
NetR17_1: R17.1 SW1.2 | length 2.7
  Top Layer w0.254: SW1.2 113.583,54.625 v1(115,54.625)
  Bottom Layer w0.254: R17.1@115,53.427 v1(115,54.625)
OLED_SCL: J5.1 P1.10@73.97,59.75 R5.1 | length 22.5
  Top Layer w0.254: v1(71.25,59.75) 73.97,59.75 74.036,59.816 75.832,59.816 76.154,60.138 v1(76.154,60.209)
  Bottom Layer w0.254: J5.1 70.625,54.807 70.625,59.125 v1(71.25,59.75) ; v1(76.154,60.209) 76.183,60.18 76.638,60.18 77.458,61 80.569,61 82.319,59.25 R5.1
OLED_SDA: J4.1 P1.11@73.97,59.05 R6.1 | length 14.1
  Top Layer w0.3: v1(71.25,58.625) 71.675,59.05 73.97,59.05 v1(76,59.05)
  Bottom Layer w0.3: J4.1 71.25,53.932 v1(71.25,58.625) ; v1(76,59.05) 76.2,59.25 R6.1
RST: C12.1 D1.2 P1.9@73.97,60.45 R9.1 | length 12.9
  Top Layer w0.254: v1(71.804,60.436) 73.956,60.436 P1.9@73.97,60.45
  Bottom Layer w0.254: R9.1 73.302,57.625 C12.1 71.829,58.869 71.829,60.411 v1(71.804,60.436) 73.367,62 D1.2
RTS: Q2.2 R18.2 U4.24 | length 10.4
  Top Layer w0.254: v1(101.13,57.889) 101.13,57.983 101.495,58.348 101.495,58.995 U4.24
  Bottom Layer w0.254: v1(101.13,57.889) 101.13,57.188 101.57,56.748 101.57,55.978 Q2.2 101.756,54.52 105.428,54.52 R18.2
SENSOR_VN: P1.12@98.89,51 U3.8 | length 10.6
  Top Layer w0.2: U3.8 96.87,56.691 96.87,53.02 P1.12@98.89,51
SENSOR_VP: P1.9@91.27,51 U3.5 | length 8.9
  Top Layer w0.2: P1.9@91.27,51 91.75,51 93.458,52.708 93.458,57.982 U3.5
USB-PWR-DM: U4.5 USB1.A7 USB1.B7 | length 6.3
  Top Layer w0.254: U4.5 105.5,62 v1(105.75,62.25) ; USB1.B7 107.529,60.75 107.279,61 107.279,61.529 v1(107.5,61.75) USB1.A7
  Bottom Layer w0.254: v1(105.75,62.25) 107,62.25 v1(107.5,61.75)
USB-PWR-DP: U4.4 USB1.A6 USB1.B6 | length 8.3
  Top Layer w0.254: U4.4 105.5,61.5 v1(105.75,61.25) ; USB1.A6 109.25,61.25 v1(109.5,61.5) 109.5,62 109.25,62.25 USB1.B6
  Bottom Layer w0.254: v1(105.75,61.25) 106.75,61.25 107,61 109,61 v1(109.5,61.5)
VBUS: C15.2 P1.16 R10.1 U4.7 U4.8 U5.3 USB1.A4 USB1.A9 USB1.B4 USB1.B9 | length 31.9
  Top Layer w0.3: U4.8 103.5,63.56 103.51,63.55 104.06,63 U4.7 105.5,63 105.75,63.25 106.5,63.25 ; v1(105.5,68.75) 105.5,65.55 107.15,63.9 ; USB1.B4 108.39,63.9 USB1.A9 ; USB1.A4 108.394,59.1 USB1.B9
  Top Layer w0.5: 108.39,63.9 107.15,63.9 106.5,63.25 106.5,59.75 v2(107.15,59.1) ; USB1.B9@108.394,59.1 v2(107.15,59.1) ; P1.16 108.926,51 107.15,52.776 v2(107.15,59.1)
  Bottom Layer w0.3: R10.1 105.5,69.677 v1(105.5,68.75)
  Bottom Layer w0.5: U5.3 104.385,60.042 C15.2 105.527,59.1 v2(107.15,59.1)
VCC: C10.1 C11.1 P1.14@73.97,56.95 | length 4.1
  Top Layer w0.3: v1(73.97,56.25) P1.14@73.97,56.95
  Bottom Layer w0.3: v1(73.97,56.25) 73.97,55.832 C11.1 C10.1
VCOMH: C13.1 P1.13@73.97,57.65 | length 2.9
  Top Layer w0.254: P1.13@73.971,57.649 73.97,57.65 75.95,57.65 v1(76,57.65)
  Bottom Layer w0.254: v1(76,57.65) 76.798,57.65 C13.1
pads on no net: L1.2 P1.6@73.97,62.55 U2.2 U2.3 U2.4 U2.5 U2.6 U2.7 U2.12 U2.14 U2.15 U2.16 U2.17 U2.19 U2.21 U2.22 U3.25 U3.26 U3.27 U3.30 U3.31 U3.32 U3.33 U3.44 U3.45 U3.47 U3.48 U4.1 U4.2 U4.6 U4.10 U4.11 U4.12 U4.13 U4.14 U4.15 U4.16 U4.17 U4.18 U4.19 U4.20 U4.21 U4.22 U4.23 U4.27 USB1. USB1.A8 USB1.B8

## Polygon pours and split planes (outlines as drawn)
no net on Bottom Solder "NONET_L-01_P-001" (solid): 66,57 69.7,57 69.7,66 66,66
no net on Top Solder "NONET_L-01_P-001" (solid): 66,66 69.7,66 69.7,57 66,57
GND on Top Layer "NONET_L-01_P-001" (solid, remove dead copper, pour order 0): 116,74 66,74 66,66 69.75,66 69.75,57 66,57 66,49 116,49
GND on Bottom Layer "NONET_L-01_P-001" (solid, pour order 2): 116,74 116,49 66,49 66,57 69.7,57 69.7,66 66,66 66,74

## Keep-outs
Keep-Out Layer:
  lines w0.1: 66,51 ccw(c68,51) 68,49 ; 66,72 cw(c68,72) 68,74 ; 114,49 ccw(c114,51) 116,51 ; 114,74 cw(c114,72) 116,72 ; 66,49 66,74 116,74 116,49 66,49

## Other copper
Bottom Layer:
  pour cut-out: 66,66 69.75,66 69.75,57 66,57

## Silkscreen, mask and mechanical layers (free items; w line width, h text height)
Top Overlay:
  circle w0.25: c72.625,66.625 r0.1
  lines w0.1: 91.25,50.98 91.32,51.05 91.5,51.05 ; 93.25,61.5 93.25,61.5 ; 93.25,61.5 93.25,61.5
  text "23" at 71.42,73.795 h0.7 r180
  text "18" at 73.92,73.795 h0.7 r180
  text "5" at 76.245,73.795 h0.7 r180
  text "10" at 78.995,73.795 h0.7 r180
  text "9" at 81.295,73.795 h0.7 r180
  text "4" at 83.87,73.795 h0.7 r180
  text "0" at 86.395,73.795 h0.7 r180
  text "2" at 88.92,73.795 h0.7 r180
  text "15" at 91.695,73.795 h0.7 r180
  text "13" at 94.22,73.795 h0.7 r180
  text "12" at 96.77,73.795 h0.7 r180
  text "14" at 99.32,73.795 h0.7 r180
  text "27" at 101.895,73.795 h0.7 r180
  text "26" at 104.42,73.795 h0.7 r180
  text "25" at 106.97,73.795 h0.7 r180
  text "33" at 109.52,73.795 h0.7 r180
  text "IO33" at 111.545,70.83 h0.7 r90
  text "IO25" at 107.045,68.705 h0.7 r90
  text "PWR" at 107.045,52.705 h0.7 r90
  text "RES" at 111.545,50.455 h0.7 r90
  text "3V3" at 88.005,49.23 h0.7
  text "VP" at 90.805,49.23 h0.7
  text "GND" at 70.18,49.205 h0.7
  text "19" at 73.08,49.205 h0.7
  text "22" at 75.58,49.205 h0.7
  text "TX" at 78.13,49.205 h0.7
  text "RX" at 80.63,49.205 h0.7
  text "21" at 83.305,49.205 h0.7
  text "GND" at 85.43,49.205 h0.7
  text "37" at 93.355,49.205 h0.7
  text "38" at 95.905,49.205 h0.7
  text "VN" at 98.405,49.205 h0.7
  text "34" at 100.955,49.205 h0.7
  text "35" at 103.505,49.205 h0.7
  text "32" at 106.055,49.205 h0.7
  text "VBUS" at 108.03,49.205 h0.7
Bottom Overlay:
  drawing of 3356 lines, arcs and shapes, not listed
  text "SDA-18" at 67.545,70.795 h0.6 r90
  text "SCL-23" at 69.045,70.795 h0.6 r90
  text "JLCJLCJLCJLC" at 95,69.75 h0.7
  text "IR" at 72.318,69.046 h1.5
  text "PWM-5" at 71.67,66.795 h0.6 r90
  text "OLED" at 69.587,66.046 h1.5
  text "WBN" at 85.785,57.519 h2 r90
  text "IMU" at 66.375,56.954 h1.5 r180
  text "SCL-22" at 67.545,55.42 h0.6 r90
  text "SDA-19" at 69.045,55.42 h0.6 r90